# Altium PCB spd150.PcbDoc (part 9 of 16)
Units mm, origin at the board's own origin, x right, y up, seen from the top; angles counter-clockwise.
Board outline 217.35 x 147.5 mm, 10 copper layers (TOP, LYR2-PLN, LYR3-SIG, LYR4-SIG, LYR5-PLN, LYR6-PLN, LYR7-SIG, LYR8-SIG, LYR9-PLN, BOTTOM), stack 2.134 mm thick; 1065 components, 972 nets, 4226 pads, 2810 vias.
Unrouted connection lines stored in the file: 16.
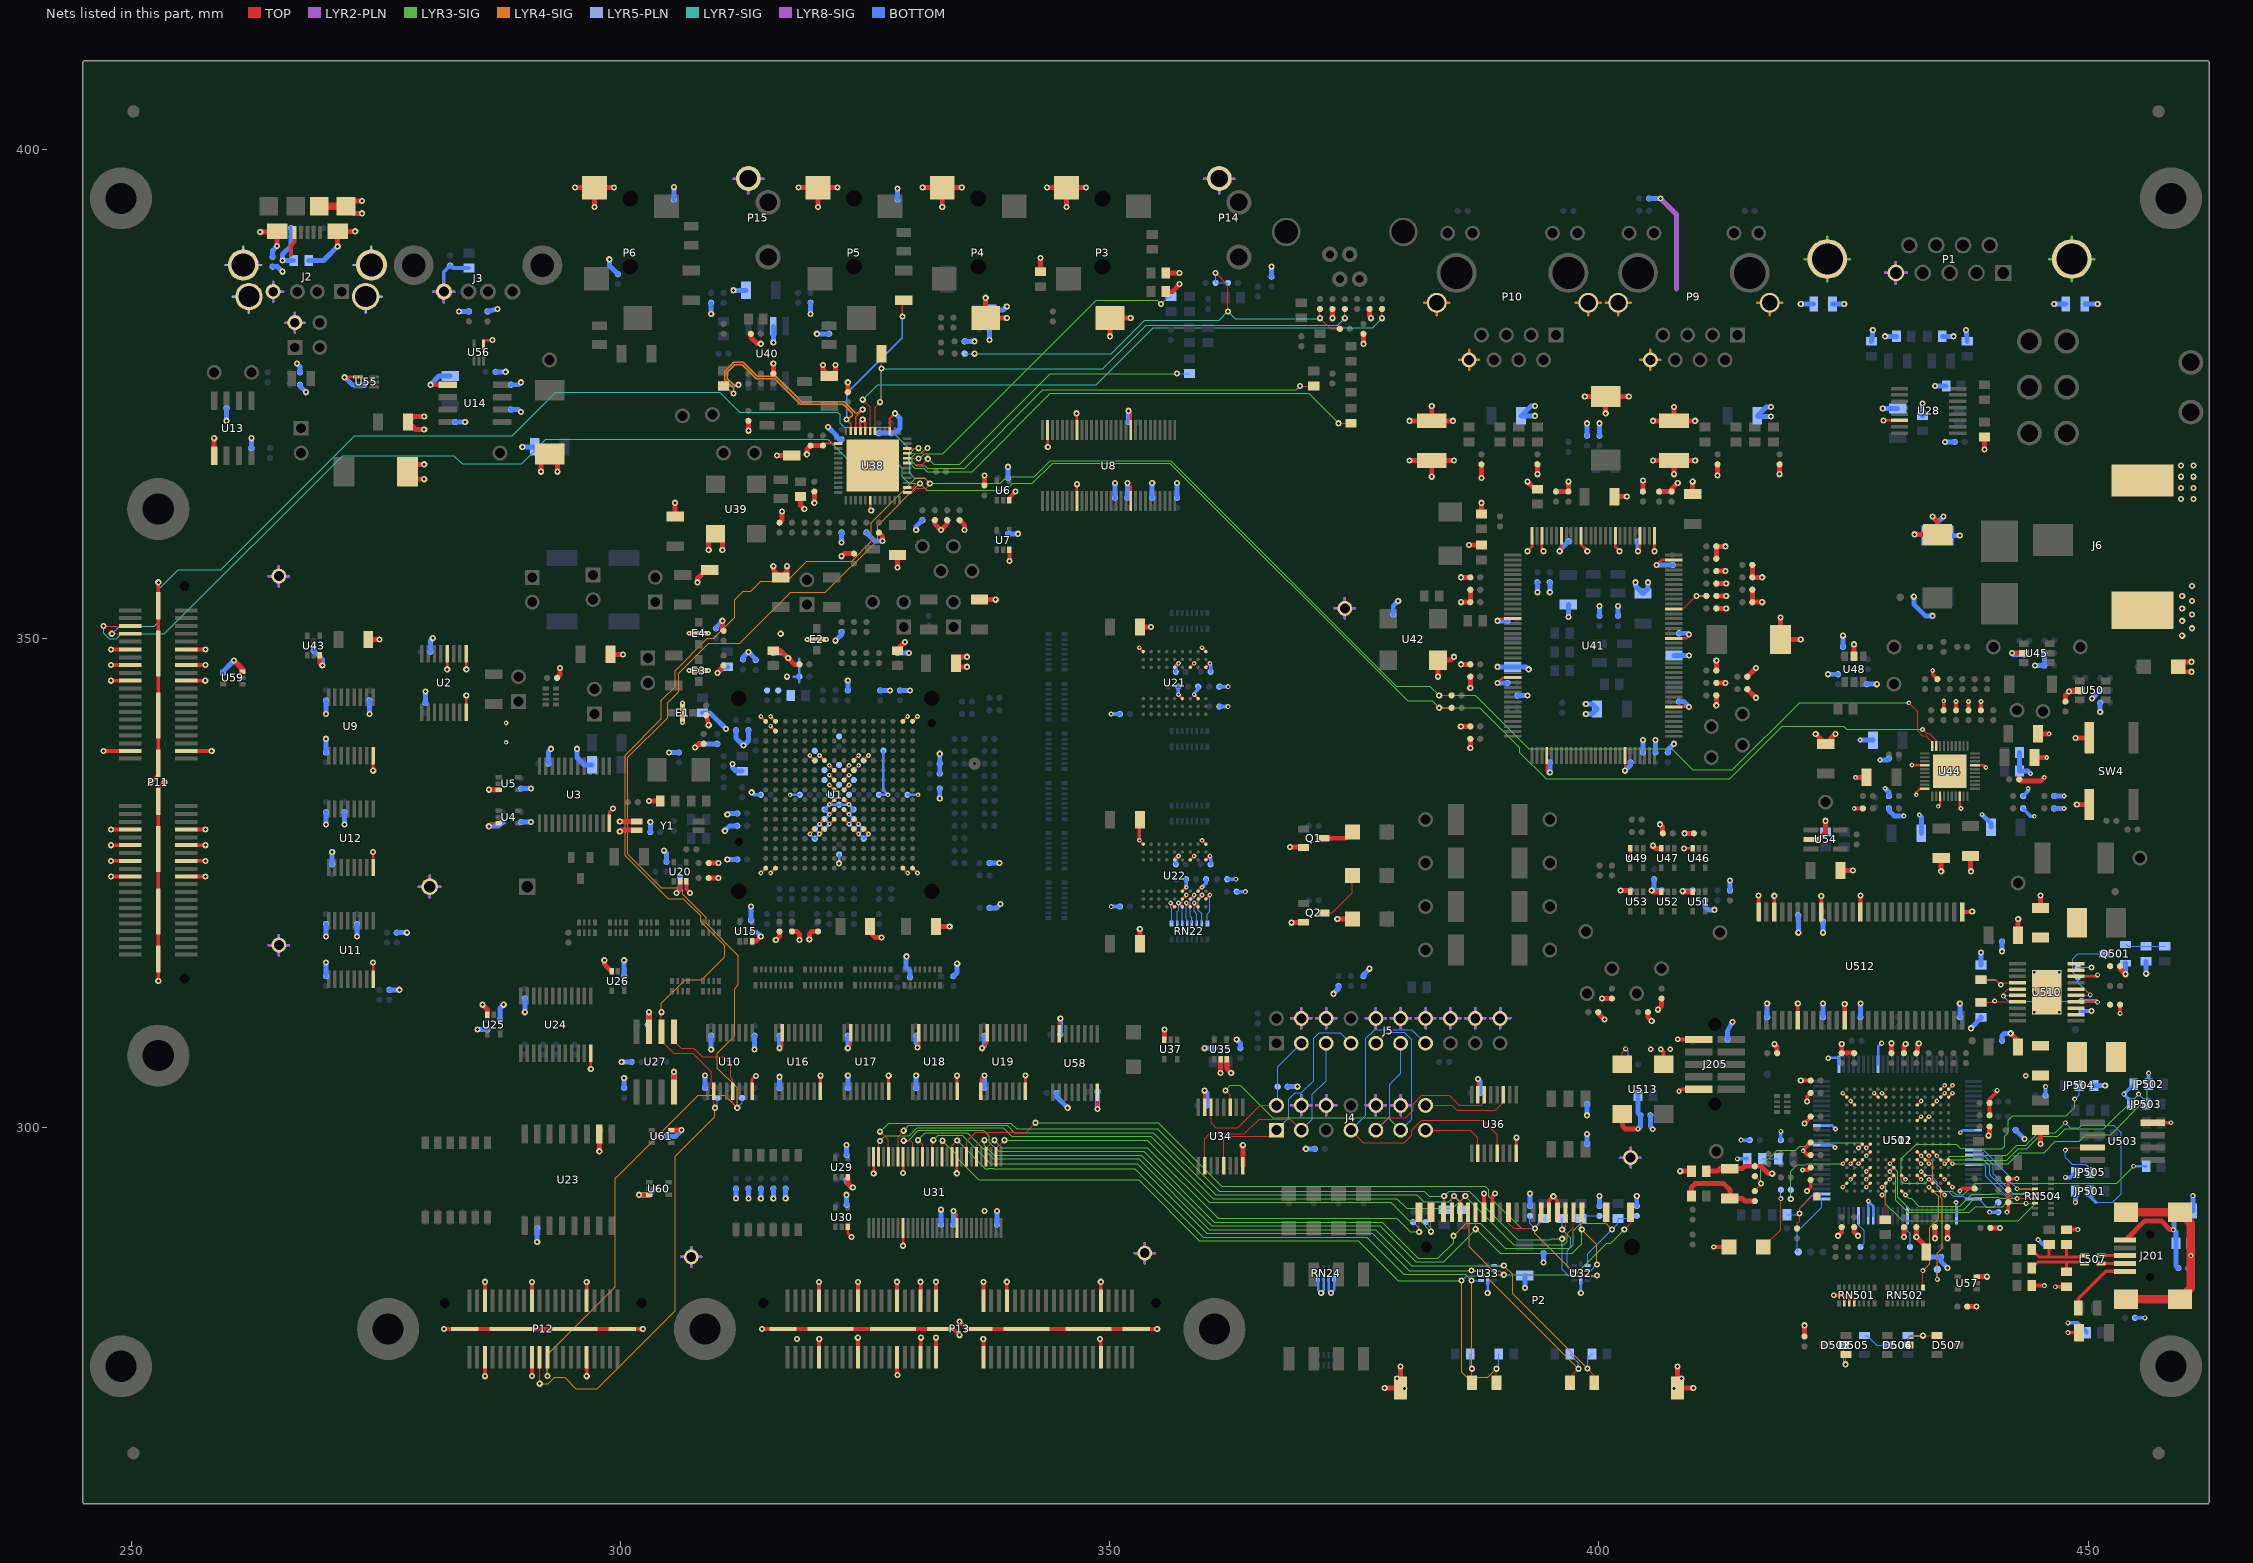
[diagram p17: the nets of this part, all layers, seen from the top]

## Via types
v1: diameter 0.635, hole 0.305, TOP to BOTTOM, 2018 vias
v2: diameter 0.483, hole 0.203, TOP to BOTTOM, 651 vias
v3: diameter 0.508, hole 0.254, TOP to BOTTOM, 120 vias
v4: diameter 0.559, hole 0.254, TOP to BOTTOM, 21 vias

## Nets (pads, with @x,y where several pads share a name; then routed paths per layer and width w, separated by ;. In a path a pad name is that pad's centre, name@x,y a point inside that pad or via, vN(x,y) a via of type N, cw(c..) or ccw(c..) an arc to the next point about the centre after c; other vN are vias at no path point) (continued)
GND: (continued)
  BOTTOM w0.508: C266.2@259.334,346.456 259.334,346.583 v1(260.477,347.726) ; v1(259.715,372.237) R224.2@259.715,373.507 ; R56.2@262.255,369.443 v1(262.255,370.459) ; C270.1@264.414,387.985 264.922,387.985 v1(265.43,387.477) ; R58.2@266.319,391.922 266.319,390.144 265.43,389.255 v1(265.43,388.62) R391.1@266.573,388.62 ; v1(266.903,378.079) 267.208,377.774 C15.2@267.208,377.19 ; R52.2@267.208,375.92 267.208,375.793 v1(267.843,375.158) ; C233.2@268.605,348.742 269.494,347.853 v1(269.494,347.218) ; R49.2@269.875,315.468 v1(269.875,316.865) ; v1(269.875,319.532) C11.2@269.875,320.802 ; v1(269.875,330.962) C12.2@269.875,332.232 ; R46.2@269.875,338.328 v1(269.875,339.725) ; v1(269.875,342.265) C9.2@269.875,343.662 ; R50.2@270.51,326.898 v1(270.51,328.168) ; v1(271.78,330.962) R51.2@271.78,332.232 ; v1(271.78,376.682) 272.542,375.92 C264.2@273.812,375.92 ; v1(273.05,319.532) R48.2@273.05,320.802 ; v1(274.32,342.265) R44.2@274.32,343.662 ; R38.2@276.352,314.071 v1(277.368,314.071) ; R36.2@277.114,319.913 v1(278.13,319.913) ; R18.2@280.035,343.408 v1(280.035,344.551) ; C1.2@280.543,348.615 280.543,349.758 v1(280.797,350.012) ; v1(280.543,375.92) 281.432,376.809 C28.2@282.575,376.809 ; R62.1@283.083,372.11 v1(284.099,372.11) ; v1(283.464,383.413) R393.2@284.48,383.413 ; v1(285.369,310.007) R137.2@286.385,310.007 ; R120.1@286.385,383.413 v1(287.401,383.667) ; v1(286.512,330.784) 286.512,330.81 286.537,330.835 287.528,330.835 R19.2@287.909,331.216 ; C263.2@287.205,377.241 v1(288.239,377.241) ; C124.2@287.655,311.023 287.655,312.166 v1(288.036,312.547) ; R60.2@288.798,373.38 289.56,373.38 v1(289.814,373.126) ; C30.2@288.798,375.92 289.56,375.92 v1(289.814,376.174) ; C3.2@289.814,331.216 v1(290.83,331.216) ; C4.2@289.814,334.645 v1(290.83,334.645) ; v1(289.941,369.57) C13.2@291.211,369.57 ; v1(290.195,311.785) C123.2@290.195,313.182 ; v1(291.465,288.29) C122.2@291.465,289.687 ; C2.2@292.608,337.185 292.608,338.455 v1(292.862,338.709) ; v1(295.529,338.709) 295.529,337.82 296.291,337.058 L25.2@297.053,337.058 ; v1(298.831,388.747) 298.831,388.112 R192.2@299.72,387.223 ; v1(300.101,306.705) R142.2@301.117,306.705 ; R141.2@300.355,304.038 v1(300.355,305.054) ; C125.2@300.355,315.468 v1(300.355,317.094) ; v1(301.879,293.116) 302.895,293.116 C273.2@303.53,293.751 ; C126.1@302.768,310.515 302.895,310.642 v1(302.895,311.785) ; R105.2@303.022,330.2 v1(303.022,331.216) ; v1(304.419,328.295) 304.673,328.041 C275.2@304.673,327.152 ; C274.2@304.673,299.085 305.562,299.085 v1(306.212,299.735) ; v1(304.927,338.328) R109.2@305.943,338.328 ; R143.2@305.435,304.038 v1(305.435,305.689) ; R193.2@305.435,394.843 v1(305.435,396.113) ; v1(305.689,323.977) 306.07,324.358 C51.2@306.07,325.628 ; v1(307.594,338.836) 307.975,339.217 C18.2@308.483,339.217 C19.2@309.88,339.217 ; C34.2@308.356,342.392 309.118,342.392 v1(310.769,340.741) ; R47.2@308.61,304.038 v1(308.61,305.308) ; v1(309.245,307.975) C10.2@309.245,309.372 ; v1(309.245,383.159) C187.2@309.245,384.302 ; C37.2@309.753,351.028 v1(310.388,351.79) ; v1(309.88,346.456) 310.515,347.091 C38.2@310.896,347.091 ; v1(310.642,330.327) 311.15,330.835 C94.1@311.912,330.835 ; v1(310.896,327.406) C81.1@311.912,327.406 ; v1(310.896,331.978) 311.023,332.105 C61.1@311.912,332.105 ; v1(311.429,337.16) 311.429,336.779 311.785,336.423 C20.2@312.42,336.423 ; v1(311.531,385.572) C183.2@312.801,385.572 ; v1(311.785,292.735) R127.2@311.785,293.751 ; C33.2@311.785,340.614 311.785,339.801 v1(312.547,339.039) 313.055,339.547 C32.2@313.055,340.614 ; C57.2@312.496,347.853 312.496,348.056 v1(313.055,348.615) 313.69,347.98 C58.2@313.812,347.769 ; v1(313.055,292.735) R128.2@313.055,293.751 ; C39.2@313.309,321.183 v1(313.309,322.58) ; R74.2@313.436,319.913 313.944,319.913 v1(314.325,319.532) ; v1(313.69,307.975) R45.2@313.69,309.372 ; v1(314.325,292.735) R129.2@314.325,293.751 ; v1(315.595,292.735) R130.2@315.595,293.751 ; C26.2@315.595,348.488 316.611,348.488 v1(317.119,347.98) ; v1(315.595,380.238) U40.7@315.595,381.889 ; R83.2@316.23,304.038 v1(316.23,305.181) ; v1(316.23,308.102) C40.2@316.23,309.372 ; v1(316.865,292.735) R124.1@316.865,293.751 ; v1(319.405,383.159) C188.2@319.405,384.302 ; v1(320.04,381.127) R185.2@321.31,381.127 ; v1(321.183,371.602) 322.072,370.713 322.072,370.606 322.346,370.332 C153.2@322.58,370.332 ; v1(321.945,349.758) 322.58,350.393 R17.2@322.58,350.647 ; v1(322.58,359.791) R202.2@322.58,360.807 ; C138.2@323.088,292.1 v1(323.088,293.116) ; R151.2@323.088,294.64 323.088,294.386 323.596,293.878 v1(323.723,293.878) ; C137.2@323.088,297.18 v1(323.088,298.196) ; R84.2@323.215,304.038 v1(323.215,305.308) ; v1(323.215,308.102) C41.2@323.215,309.372 ; C99.1@323.215,344.678 v1(323.215,345.694) ; R208.2@325.12,360.807 325.984,359.943 v1(326.771,359.943) ; C156.2@326.39,370.967 C154.2@327.66,370.967 328.041,370.967 328.549,371.475 328.549,372.491 v1(328.041,372.999) ; C79.1@326.517,344.678 v1(327.533,344.678) ; C55.2@328.295,348.488 v1(329.463,348.488) ; R186.2@328.295,394.843 v1(328.295,395.986) ; C78.1@328.549,344.678 v1(329.565,344.678) ; v1(329.209,317.5) 329.184,317.475 329.184,316.357 329.565,315.976 R68.1@329.565,315.341 ; R88.2@330.2,304.038 v1(330.2,305.308) ; C42.2@330.2,309.372 330.2,308.635 330.327,308.508 v1(330.327,308.178) ; v1(330.2,361.061) 330.2,361.442 R207.2@330.835,362.077 ; v1(332.613,333.629) C63.1@332.613,334.645 ; C84.1@332.613,336.169 C82.1@332.613,337.185 v1(332.613,338.201) ; C139.2@332.74,290.068 v1(332.74,291.592) ; C140.2@334.01,290.068 v1(334.01,291.465) ; R71.2@334.01,315.468 334.391,315.849 v1(334.391,316.738) ; C172.2@335.153,380.365 v1(336.169,380.365) ; v1(336.931,308.102) 337.185,308.356 C43.2@337.185,309.372 ; R89.2@337.185,304.038 v1(337.185,305.308) ; C93.1@337.693,322.453 338.455,322.453 v1(338.836,322.834) ; R85.2@337.693,327.025 v1(338.709,327.025) ; v1(337.693,380.492) R187.2@337.693,381.635 ; C171.2@337.947,383.54 339.09,383.54 v1(339.471,383.921) ; R153.2@338.455,290.068 v1(338.455,291.465) ; C5.2@339.598,360.68 v1(340.614,360.68) ; C6.2@339.598,366.395 v1(339.598,367.538) ; C161.2@342.9,387.477 v1(342.9,388.874) ; R384.2@344.551,303.53 344.551,303.149 v1(345.694,302.006) ; C265.2@344.932,309.499 v1(344.932,311.15) ; v1(348.732,301.879) 348.742,301.889 R152.2@348.742,303.657 ; C7.2@350.52,364.363 v1(350.52,365.887) ; C8.2@351.79,364.363 v1(351.79,365.887) ; R22.2@351.917,372.11 v1(351.917,373.253) ; R21.1@354.33,364.363 v1(354.33,365.887) ; R23.2@356.87,364.363 v1(356.87,365.887) ; v1(359.664,308.102) C145.2@360.68,308.102 ; v1(359.689,303.759) 359.918,303.53 C143.2@359.918,302.26 ; v1(362.966,308.991) 363.347,308.61 C144.2@363.347,308.102 ; R390.2@366.522,386.969 v1(366.522,387.985) ; R169.2@368.173,304.165 v1(369.189,304.165) ; v1(370.027,297.815) C146.2@370.967,297.815 ; v1(372.847,313.665) 373.38,314.198 C148.2@373.38,314.452 ; C149.2@375.92,315.468 375.92,315.595 v1(376.555,316.23) ; C198.2@378.968,352.425 378.968,353.314 v1(379.476,353.822) ; v1(387.629,304.952) 387.858,304.724 C147.2@387.858,303.53 ; v1(389.636,345.44) C209.2@390.652,345.44 ; v1(389.636,347.091) C202.2@391.16,347.091 392.557,347.091 v1(392.811,346.837) ; v1(389.636,351.79) C204.2@390.652,351.79 ; R291.2@391.668,344.17 v1(392.684,344.17) ; v1(392.43,283.591) C141.2@392.43,284.861 ; R166.2@392.938,291.973 v1(392.938,293.243) ; v1(393.446,372.745) C227.2@392.049,372.745 393.065,373.761 v1(393.446,373.761) ; v1(393.7,354.711) C218.2@393.7,355.727 ; v1(394.335,286.207) C142.1@394.335,287.147 ; v1(394.97,336.296) C205.2@394.97,337.312 ; v1(394.97,354.711) C219.2@394.97,355.727 ; v1(395.986,358.902) 395.986,359.029 C224.2@396.875,359.918 ; v1(396.875,352.171) C217.2@396.875,353.441 ; v1(398.653,342.265) 399.288,342.265 C211.2@399.796,342.773 399.288,343.281 v1(398.653,343.281) ; R113.2@398.78,298.323 v1(398.78,299.339) ; v1(398.78,301.244) R114.2@398.78,302.387 ; C215.2@398.78,370.713 v1(398.78,371.983) ; R165.2@400.05,291.973 v1(400.05,292.989) ; C207.2@400.05,352.298 v1(400.05,353.314) ; C216.2@400.05,370.713 v1(400.05,371.983) ; C213.2@401.955,352.298 v1(401.955,353.314) ; v1(402.209,324.231) C255.2@403.225,324.231 ; v1(402.669,336.471) 403.225,337.028 C208.2@403.225,337.312 ; v1(403.733,355.727) 403.733,355.346 C212.2@404.495,354.584 405.003,355.092 v1(405.003,355.727) ; R164.2@403.86,291.973 v1(403.86,292.989) ; v1(403.987,358.902) C222.2@403.987,359.918 ; R293.2@404.495,338.328 v1(404.495,339.598) ; R233.1@405.13,394.97 v1(406.273,394.97) ; C606.2@405.257,301.244 405.257,300.076 v4(405.511,299.822) ; C251.2@405.638,325.374 405.638,324.485 v1(405.384,324.231) C257.2@406.4,324.231 ; R302.2@405.765,338.328 v1(405.765,339.598) ; v1(405.892,357.505) C223.2@407.543,357.505 ; R303.2@407.035,338.328 407.035,338.582 v1(407.67,339.217) ; C201.2@407.67,348.234 v1(409.194,348.234) ; C206.2@408.178,343.535 408.653,343.535 v1(409.194,342.994) ; C210.2@408.178,350.52 409.067,350.52 v1(409.194,350.393) ; v1(408.559,324.155) 409.499,324.155 C256.2@409.575,324.231 ; C258.2@410.845,323.215 410.845,322.58 411.175,322.25 v1(411.81,322.25) ; R552.1@413.131,308.991 413.131,309.88 v1(413.639,310.769) ; R102.2@413.385,324.231 v1(413.385,325.247) ; C603.2@417.195,311.277 v1(417.195,312.674) ; v1(417.576,372.669) 416.255,372.669 C231.2@416.179,372.745 417.068,373.634 v1(417.576,373.634) ; v1(420.37,319.913) C605.2@420.37,321.691 ; v1(420.624,384.175) L2.1@421.945,384.175 ; C602.2@422.91,311.277 v1(422.91,312.674) ; v1(422.91,319.913) C604.2@422.91,321.056 ; R373.2@423.164,330.2 v1(423.164,331.343) ; v1(423.418,346.329) C252.2@424.434,346.329 ; R351.1@424.942,349.123 v1(424.942,350.266) ; v2(426.695,339.598) C236.2@427.99,339.598 ; C600.2@426.72,311.277 v1(426.72,312.674) ; C250.2@427.355,345.313 v1(428.396,345.313) ; v2(428.727,337.566) 429.514,337.566 R315.2@429.641,337.693 ; v1(429.006,373.507) C128.2@430.53,373.507 ; v2(429.25,334.655) 429.641,334.264 C235.2@429.641,333.883 ; R324.2@429.641,332.613 429.641,332.379 430.169,331.851 v2(431.165,331.851) ; v1(432.181,354.254) 432.181,353.484 433.367,352.298 v1(434.086,352.298) ; v2(432.74,331.953) 432.943,331.749 C237.2@432.943,330.073 ; C127.2@433.07,372.745 v1(433.07,374.015) ; C594.2@433.705,286.766 R603.2@434.975,286.766 434.975,286.283 v1(435.635,285.623) ; v1(434.34,375.793) C135.2@435.483,375.793 ; v1(435.229,362.458) 434.594,361.823 D1.2@434.594,360.502 v1(436.88,360.502) ; v1(435.356,370.078) R150.1@436.372,370.078 ; C601.2@436.88,311.277 v1(436.88,312.674) ; v1(438.023,310.134) 439.039,311.15 R549.2@439.039,311.277 ; R528.2@439.039,316.611 v1(439.039,317.881) ; v2(439.166,331.978) 440.055,331.089 C241.2@440.055,330.708 ; C556.2@441.198,308.864 441.198,309.372 441.452,309.626 v1(442.087,309.626) ; v1(441.198,318.008) C526.2@441.198,319.024 ; v1(442.214,348.488) 442.341,348.361 C246.2@443.484,348.361 ; C592.2@442.595,299.72 v1(443.484,298.831) ; C243.2@442.976,338.328 C245.2@442.976,336.423 443.865,336.423 v2(444.119,336.169) ; v1(444.576,347.218) C248.2@445.516,347.218 R348.1@445.516,348.488 ; R337.2@446.532,332.613 v2(447.548,332.613) ; R336.2@446.532,333.883 v2(447.548,333.883) ; v1(448.031,344.551) C253.2@449.199,344.551 ; v3(448.691,292.354) JP501.3@448.691,293.497 ; L5.1@449.656,384.175 v1(450.977,384.175) ; v1(450.393,343.84) R356.1@451.231,344.678 ; JP504.3@450.596,304.292 v1(451.739,304.292) ; v1(451.231,342.468) C254.2@451.231,343.408 ; v1(453.822,315.671) Q501.S@453.822,316.789 ; v1(455.93,315.722) R555.2@455.93,316.992 ; L505.2@460.705,291.465 v3(460.705,293.04)
  other v1: 380.111,273.304 407.67,273.304 379.349,274.32 408.432,274.32 318.008,278.384 337.185,291.465 316.992,346.075 459.613,350.266 316.357,350.469 460.629,351.028 459.613,351.79 460.629,352.425 459.613,353.06 460.629,353.822 459.613,354.33 460.629,355.346 459.486,364.236 460.756,364.236 459.486,365.379 460.756,365.379 459.486,366.522 460.756,366.522 459.486,367.665 460.756,367.665
  other v2: 435.864,336.423 288.29,339.369 288.29,341.351 306.324,341.401 306.324,343.383 306.984,346.71 308.966,346.71 319.049,349.885 321.031,349.885 306.984,350.52 308.966,350.52
  other v3: 444.5,311.785 447.04,311.785 444.5,313.817 447.04,313.817 444.5,315.849 447.04,315.849
  other v4: 443.611,305.308 405.308,308 407.274,307.988
GND_E_ENET: C226.1 C230.1 P9.8 P9.SH1 P9.SH2 P10.8 P10.SH1 P10.SH2 | length 35.1
  TOP w0.508: v1(380.619,372.237) C226.1@382.905,372.237 ; v1(382.905,373.761) C226.1@382.905,372.237 ; v1(385.064,372.237) C226.1@382.905,372.237 ; v1(405.511,372.237) C230.1@407.67,372.237 ; v1(407.67,373.634) C230.1@407.67,372.237 ; v1(409.829,372.237) C230.1@407.67,372.237
  LYR4-SIG w0.254: 382.143,384.302 P10.SH2@383.413,384.302 ; 383.413,383.032 P10.SH2@383.413,384.302 ; 384.683,384.302 P10.SH2@383.413,384.302 ; 385.699,378.46 P10.8@386.715,378.46 ; 386.715,377.444 P10.8@386.715,378.46 ; 386.715,379.476 P10.8@386.715,378.46 ; 387.731,378.46 P10.8@386.715,378.46 ; 397.637,384.302 P10.SH1@398.907,384.302 ; 398.907,383.032 P10.SH1@398.907,384.302 ; 400.177,384.302 P10.SH1@398.907,384.302 ; 400.685,384.302 P9.SH2@401.955,384.302 ; 401.955,383.032 P9.SH2@401.955,384.302 ; 403.225,384.302 P9.SH2@401.955,384.302 ; 404.241,378.46 P9.8@405.257,378.46 ; 405.257,377.444 P9.8@405.257,378.46 ; 405.257,379.476 P9.8@405.257,378.46 ; 406.273,378.46 P9.8@405.257,378.46 ; 416.179,384.302 P9.SH1@417.449,384.302 ; 417.449,383.032 P9.SH1@417.449,384.302 ; 418.719,384.302 P9.SH1@417.449,384.302
GND_E_RS232: C129.2 C130.2 C131.2 C132.2 L2.2 L5.2 P1.10 P1.11 | length 25.3
  LYR3-SIG w0.254: 421.056,388.772 P1.10@423.342,388.772 ; 423.342,386.486 P1.10@423.342,388.772 ; 423.342,391.058 P1.10@423.342,388.772 ; 425.628,388.772 P1.10@423.342,388.772 ; 446.049,388.772 P1.11@448.335,388.772 ; 448.335,386.486 P1.11@448.335,388.772 ; 448.335,391.058 P1.11@448.335,388.772 ; 450.621,388.772 P1.11@448.335,388.772
  BOTTOM w0.508: L2.2@423.875,384.175 v1(425.069,384.175) ; C129.2@427.863,380.365 v1(427.99,381.508) ; v1(429.26,380.873) C130.2@430.403,380.873 ; C132.2@435.102,380.873 v1(436.245,380.873) ; v1(437.515,381.508) C131.2@437.642,380.365 ; v1(446.532,384.175) L5.2@447.726,384.175
GND_EARTH: C270.2 J2.1 J2.2 J2.3 J2.4 J2.5 J2.6 J2.7 J2.8 R391.2 | length 33.8
  TOP w0.508: v1(263.144,391.541) 264.81,391.541 J2.6@264.874,391.604 v1(264.874,390.096) ; v1(271.066,390.065) J2.5@271.066,391.604 v1(272.859,391.604) ; v1(273.558,393.446) 272.626,393.446 J2.7@271.917,394.155 272.478,394.716 v1(273.558,394.716)
  TOP w0.762: J2.8@269.171,394.155 J2.7@271.917,394.155
  LYR5-PLN w0.254: 259.575,388.163 J2.4@261.417,388.163 ; 260.35,384.937 J2.2@262.001,384.937 262.001,383.286 ; 261.417,390.004 J2.4@261.417,388.163 ; 263.258,388.163 J2.4@261.417,388.163 ; 272.682,388.163 J2.3@274.523,388.163 274.523,390.004 ; 273.939,383.286 J2.1@273.939,384.937 275.59,384.937
  BOTTOM w0.508: C270.2@264.414,389.001 264.414,389.636 v1(264.874,390.096) ; R391.2@268.097,388.62 269.621,388.62 v1(271.066,390.065)
GP0: JP501.2 U502.F3 | length 32.4
  TOP w0.254: U502.F3@434.132,297.503 v2(434.53,297.101)
  LYR3-SIG w0.102: v2(434.53,297.101) 434.546,297.101 434.939,296.708 435.496,296.708 435.841,297.053 438.277,297.053
  LYR3-SIG w0.127: 438.277,297.053 438.404,297.18 441.706,297.18 442.722,298.196 443.611,298.196 444.881,299.466 446.659,299.466 v3(447.675,300.482)
  BOTTOM w0.127: v3(447.675,300.482) 448.191,299.966 449.072,299.966 449.334,300.228 452.638,300.228 453.39,299.476 453.39,293.243 452.501,292.354 450.786,292.354
  BOTTOM w0.381: JP501.2@450.215,293.497 450.215,292.925 450.786,292.354
GP1: JP502.2 U502.E1 | length 27
  TOP w0.254: U502.E1@435.732,296.702 v2(436.131,296.301)
  LYR3-SIG w0.102: v2(436.131,296.301) 436.712,296.301 436.715,296.304 438.137,296.304
  LYR3-SIG w0.127: 438.137,296.304 441.833,296.304 442.963,297.434 445.516,297.434 446.659,298.577 449.072,298.577 449.77,299.275 452.31,299.275 456.057,303.022 456.057,305.435 v3(456.184,305.562)
  BOTTOM w0.381: JP502.2@456.184,304.419 v3(456.184,305.562)
GP2: JP503.2 U502.E2 | length 24.7
  TOP w0.254: U502.E2@434.932,296.702 v2(435.331,296.301)
  LYR3-SIG w0.102: v2(435.331,296.301) 435.493,296.301 435.887,296.695 438.254,296.695 438.277,296.672
  LYR3-SIG w0.127: 438.277,296.672 441.706,296.672 442.849,297.815 443.738,297.815 445.008,299.085 446.913,299.085 447.675,299.847 451.612,299.847 v3(455.168,303.403)
  BOTTOM w0.127: v3(455.168,303.403) 455.93,302.641 JP503.2@455.93,302.387
GP3: JP504.2 U502.B3 | length 29.9
  TOP w0.254: v2(433.73,294.701) 433.733,294.701 U502.B3@434.132,294.302
  LYR3-SIG w0.102: v2(433.73,294.701) 433.337,294.307 431.165,294.307 430.911,294.561 430.911,296.799 432.407,298.295 436.527,298.295 436.931,297.891 438.252,297.891
  LYR3-SIG w0.127: 438.252,297.891 438.302,297.84 441.198,297.84 441.452,298.094 441.452,299.085 441.833,299.466 441.833,300.736 442.277,301.18 447.738,301.18 448.615,302.057 v3(448.615,302.895)
  BOTTOM w0.127: v3(448.615,302.895) 449.072,303.352 JP504.2@449.072,304.292
GP4: JP508.1 RN502.9 U502.A3 | length 35.6
  TOP w0.127: RN502.9@433.111,283.642 v3(433.111,285.369)
  TOP w0.254: v2(433.73,293.901) 433.733,293.901 U502.A3@434.132,293.502
  LYR3-SIG w0.102: v2(433.73,293.901) 434.134,293.497 436.118,293.497 436.512,293.103 437.248,293.103
  LYR3-SIG w0.127: 437.248,293.103 438.467,294.322 452.945,294.322 v3(454.66,296.037)
  LYR4-SIG w0.102: v2(433.73,293.901) 434.721,292.91 434.721,290.957
  LYR4-SIG w0.127: v3(433.111,285.369) 433.819,286.078 433.819,289.801 434.721,290.703 434.721,290.957
  BOTTOM w0.254: v3(454.66,296.037) JP508.1@455.93,296.037
GP6: R612.1 U502.C4 U511.50 | length 10.5
  TOP w0.254: v2(432.93,295.501) 433.329,295.102 U502.C4@433.332,295.102
  BOTTOM w0.102: v2(432.93,295.501) 433.334,295.097 433.893,295.097 434.594,294.396 434.594,293.748 434.848,293.494 435.714,293.494 436.22,292.989 437.225,292.989 U511.50@437.515,292.699
  BOTTOM w0.127: U511.50@437.515,292.699 U511.50@438.277,292.699 438.821,292.699 439.661,291.859 440.322,291.859 R612.1@440.817,292.354
GPIO_0: R598.1 R611.1 TP520.1 U511.77 | length 9.2
  TOP w0.127: R598.1@420.243,289.687 420.243,290.195 420.497,290.449 v1(420.497,291.211) 420.497,291.719 421.767,292.989 TP520.1@422.275,292.989
  BOTTOM w0.127: R611.1@419.227,291.084 420.37,291.084 v1(420.497,291.211) 420.497,291.719 421.978,293.2 U511.77@422.783,293.2
GPIO_1: R597.1 TP521.1 U511.76 | length 6.8
  BOTTOM w0.127: TP521.1@420.37,287.274 420.243,287.401 R597.1@420.243,289.687 420.624,289.687 422.783,291.846 U511.76@422.783,292.699
HANDSET_MIC_N: C180.1 U38.8 | length 34.1
  TOP w0.127: U38.8@329.286,368.414 330.416,368.414 v1(330.441,368.389)
  LYR3-SIG w0.127: v1(330.441,368.389) 330.543,368.389 331.013,368.859 332.918,368.859 348.615,384.556 354.838,384.556 v1(355.219,384.175)
  BOTTOM w0.127: v1(355.219,384.175) 355.981,384.937 C180.1@356.235,384.937
HANDSET_MIC_P: C176.1 U38.7 | length 33.2
  TOP w0.127: U38.7@329.286,367.914 329.951,367.914 330.073,367.792 330.86,367.792 331.394,368.325 v1(331.394,368.351)
  LYR3-SIG w0.127: v1(331.394,368.351) 331.419,368.351 331.978,367.792 334.645,367.792 343.916,377.063 v1(356.87,377.063)

## Text inside footprints (layer, text, board x,y; h text height)
R92: PIN_NUMBER "2" at 333.934,334.645 h0.51; PIN_NUMBER "1" at 334.95,334.645 h0.51; ASSEMBLY_BOTTOM "22" at 334.645,334.645 h0.64; ASSEMBLY_BOTTOM "TOLERANCE" at 334.645,332.105 h0.64; ASSEMBLY_BOTTOM "USERPART#" at 334.645,330.835 h0.64; SYMBOL_PART_DIM "PAD 35X32 OV" at 337.769,329.87 h0.64; SYMBOL_PART_DIM "C402-35X32" at 337.769,331.14 h0.64; SYMBOL_PART_DIM "0" at 334.848,332.511 h0.64; SYMBOL_PART_DIM "0" at 336.982,334.315 h0.64
R93: PIN_NUMBER "2" at 333.934,330.835 h0.51; PIN_NUMBER "1" at 334.95,330.835 h0.51; ASSEMBLY_BOTTOM "22" at 334.645,330.835 h0.64; ASSEMBLY_BOTTOM "TOLERANCE" at 334.645,328.295 h0.64; ASSEMBLY_BOTTOM "USERPART#" at 334.645,327.025 h0.64; SYMBOL_PART_DIM "PAD 35X32 OV" at 337.769,326.06 h0.64; SYMBOL_PART_DIM "C402-35X32" at 337.769,327.33 h0.64; SYMBOL_PART_DIM "0" at 334.848,328.701 h0.64; SYMBOL_PART_DIM "0" at 336.982,330.505 h0.64
R94: PIN_NUMBER "2" at 334.696,343.535 h0.51; PIN_NUMBER "1" at 335.712,343.535 h0.51; ASSEMBLY_BOTTOM "22" at 335.407,343.535 h0.64; ASSEMBLY_BOTTOM "TOLERANCE" at 335.407,340.995 h0.64; ASSEMBLY_BOTTOM "USERPART#" at 335.407,339.725 h0.64; SYMBOL_PART_DIM "PAD 35X32 OV" at 338.531,338.76 h0.64; SYMBOL_PART_DIM "C402-35X32" at 338.531,340.03 h0.64; SYMBOL_PART_DIM "0" at 335.61,341.401 h0.64; SYMBOL_PART_DIM "0" at 337.744,343.205 h0.64
R95: PIN_NUMBER "2" at 333.934,333.375 h0.51; PIN_NUMBER "1" at 334.95,333.375 h0.51; ASSEMBLY_BOTTOM "22" at 334.645,333.375 h0.64; ASSEMBLY_BOTTOM "TOLERANCE" at 334.645,330.835 h0.64; ASSEMBLY_BOTTOM "USERPART#" at 334.645,329.565 h0.64; SYMBOL_PART_DIM "PAD 35X32 OV" at 337.769,328.6 h0.64; SYMBOL_PART_DIM "C402-35X32" at 337.769,329.87 h0.64; SYMBOL_PART_DIM "0" at 334.848,331.241 h0.64; SYMBOL_PART_DIM "0" at 336.982,333.045 h0.64
R96: PIN_NUMBER "1" at 334.95,338.455 h0.51; PIN_NUMBER "2" at 333.934,338.455 h0.51; ASSEMBLY_BOTTOM "22" at 334.645,338.455 h0.64; ASSEMBLY_BOTTOM "TOLERANCE" at 334.645,335.915 h0.64; ASSEMBLY_BOTTOM "USERPART#" at 334.645,334.645 h0.64; SYMBOL_PART_DIM "PAD 35X32 OV" at 337.769,333.68 h0.64; SYMBOL_PART_DIM "C402-35X32" at 337.769,334.95 h0.64; SYMBOL_PART_DIM "0" at 334.848,336.321 h0.64; SYMBOL_PART_DIM "0" at 336.982,338.125 h0.64
R97: PIN_NUMBER "2" at 333.934,339.725 h0.51; PIN_NUMBER "1" at 334.95,339.725 h0.51; ASSEMBLY_BOTTOM "22" at 334.645,339.725 h0.64; ASSEMBLY_BOTTOM "TOLERANCE" at 334.645,337.185 h0.64; ASSEMBLY_BOTTOM "USERPART#" at 334.645,335.915 h0.64; SYMBOL_PART_DIM "PAD 35X32 OV" at 337.769,334.95 h0.64; SYMBOL_PART_DIM "C402-35X32" at 337.769,336.22 h0.64; SYMBOL_PART_DIM "0" at 334.848,337.591 h0.64; SYMBOL_PART_DIM "0" at 336.982,339.395 h0.64
R98: PIN_NUMBER "2" at 334.696,342.265 h0.51; PIN_NUMBER "1" at 335.712,342.265 h0.51; ASSEMBLY_BOTTOM "22" at 335.407,342.265 h0.64; ASSEMBLY_BOTTOM "TOLERANCE" at 335.407,339.725 h0.64; ASSEMBLY_BOTTOM "USERPART#" at 335.407,338.455 h0.64; SYMBOL_PART_DIM "PAD 35X32 OV" at 338.531,337.49 h0.64; SYMBOL_PART_DIM "C402-35X32" at 338.531,338.76 h0.64; SYMBOL_PART_DIM "0" at 335.61,340.131 h0.64; SYMBOL_PART_DIM "0" at 337.744,341.935 h0.64
R99: PIN_NUMBER "1" at 334.95,332.105 h0.51; PIN_NUMBER "2" at 333.934,332.105 h0.51; ASSEMBLY_BOTTOM "22" at 334.645,332.105 h0.64; ASSEMBLY_BOTTOM "TOLERANCE" at 334.645,329.565 h0.64; ASSEMBLY_BOTTOM "USERPART#" at 334.645,328.295 h0.64; SYMBOL_PART_DIM "PAD 35X32 OV" at 337.769,327.33 h0.64; SYMBOL_PART_DIM "C402-35X32" at 337.769,328.6 h0.64; SYMBOL_PART_DIM "0" at 334.848,329.971 h0.64; SYMBOL_PART_DIM "0" at 336.982,331.775 h0.64
R100: PIN_NUMBER "2" at 298.933,328.168 h1.02 r180; PIN_NUMBER "1" at 301.981,328.168 h1.02 r180; ASSEMBLY_TOP "0.02" at 302.006,328.168 h1.02 r180; ASSEMBLY_TOP "X" at 300.99,328.168 h1.02 r180; ASSEMBLY_TOP "X" at 300.228,328.041 h1.02 r180; SYMB_DIM "PAD 40X70OV" at 285.598,327.025 h1.02 r180; SYMB_DIM "SM  48X78OV" at 285.598,328.803 h1.02 r180; SYMB_DIM "SP  40X70OV" at 285.598,330.835 h1.02 r180; SYMB_DIM "R1206-40X70" at 296.393,322.58 h1.02 r180; SYMB_DIM "0" at 301.498,331.47 h1.02 r180; SYMB_DIM "0" at 305.308,328.295 h1.02 r180
R101: PIN_NUMBER "1" at 413.182,324.231 h0.51 r270; PIN_NUMBER "2" at 413.182,323.215 h0.51 r270; ASSEMBLY_TOP "10K" at 413.385,323.723 h0.64 r270; ASSEMBLY_TOP "TOLERANCE" at 410.845,323.723 h0.64 r270; ASSEMBLY_TOP "USERPART#" at 409.575,323.723 h0.64 r270; SYMBOL_PART_DIM "PAD 35X32 OV" at 408.61,326.847 h0.64 r270; SYMBOL_PART_DIM "C402-35X32" at 409.88,326.847 h0.64 r270; SYMBOL_PART_DIM "0" at 411.251,323.926 h0.64 r270; SYMBOL_PART_DIM "0" at 413.055,326.06 h0.64 r270
R102: PIN_NUMBER "1" at 413.182,323.215 h0.51 r270; PIN_NUMBER "2" at 413.182,324.231 h0.51 r270; ASSEMBLY_BOTTOM "NO-POP" at 413.385,323.723 h0.64 r270; ASSEMBLY_BOTTOM "TOLERANCE" at 410.845,323.723 h0.64 r270; ASSEMBLY_BOTTOM "USERPART#" at 409.575,323.723 h0.64 r270; SYMBOL_PART_DIM "PAD 35X32 OV" at 408.61,320.599 h0.64 r270; SYMBOL_PART_DIM "C402-35X32" at 409.88,320.599 h0.64 r270; SYMBOL_PART_DIM "0" at 411.251,323.52 h0.64 r270; SYMBOL_PART_DIM "0" at 413.055,321.386 h0.64 r270
R103: PIN_NUMBER "2" at 312.217,333.756 h0.51 r90; PIN_NUMBER "1" at 312.217,334.772 h0.51 r90; ASSEMBLY_BOTTOM "NO-POP" at 312.42,334.264 h0.64 r90; ASSEMBLY_BOTTOM "TOLERANCE" at 314.96,334.264 h0.64 r90; ASSEMBLY_BOTTOM "USERPART#" at 316.23,334.264 h0.64 r90; SYMBOL_PART_DIM "PAD 35X32 OV" at 317.195,337.388 h0.64 r90; SYMBOL_PART_DIM "C402-35X32" at 315.925,337.388 h0.64 r90; SYMBOL_PART_DIM "0" at 314.554,334.467 h0.64 r90; SYMBOL_PART_DIM "0" at 312.75,336.601 h0.64 r90
R104: PIN_NUMBER "1" at 305.232,331.343 h0.51 r90; PIN_NUMBER "2" at 305.232,330.327 h0.51 r90; ASSEMBLY_BOTTOM "0" at 305.435,330.835 h0.64 r90; ASSEMBLY_BOTTOM "TOLERANCE" at 307.975,330.835 h0.64 r90; ASSEMBLY_BOTTOM "USERPART#" at 309.245,330.835 h0.64 r90; SYMBOL_PART_DIM "PAD 35X32 OV" at 310.21,333.959 h0.64 r90; SYMBOL_PART_DIM "C402-35X32" at 308.94,333.959 h0.64 r90; SYMBOL_PART_DIM "0" at 307.569,331.038 h0.64 r90; SYMBOL_PART_DIM "0" at 305.765,333.172 h0.64 r90
R105: PIN_NUMBER "1" at 303.835,330.2 h0.51; PIN_NUMBER "2" at 302.819,330.2 h0.51; ASSEMBLY_BOTTOM "NO-POP" at 303.53,330.2 h0.64; ASSEMBLY_BOTTOM "TOLERANCE" at 303.53,327.66 h0.64; ASSEMBLY_BOTTOM "USERPART#" at 303.53,326.39 h0.64; SYMBOL_PART_DIM "PAD 35X32 OV" at 306.654,325.425 h0.64; SYMBOL_PART_DIM "C402-35X32" at 306.654,326.695 h0.64; SYMBOL_PART_DIM "0" at 303.733,328.066 h0.64; SYMBOL_PART_DIM "0" at 305.867,329.87 h0.64
R106: PIN_NUMBER "2" at 310.312,334.772 h0.51 r90; PIN_NUMBER "1" at 310.312,335.788 h0.51 r90; ASSEMBLY_BOTTOM "NO-POP" at 310.515,335.28 h0.64 r90; ASSEMBLY_BOTTOM "TOLERANCE" at 313.055,335.28 h0.64 r90; ASSEMBLY_BOTTOM "USERPART#" at 314.325,335.28 h0.64 r90; SYMBOL_PART_DIM "PAD 35X32 OV" at 315.29,338.404 h0.64 r90; SYMBOL_PART_DIM "C402-35X32" at 314.02,338.404 h0.64 r90; SYMBOL_PART_DIM "0" at 312.649,335.483 h0.64 r90; SYMBOL_PART_DIM "0" at 310.845,337.617 h0.64 r90
R107: PIN_NUMBER "2" at 306.807,333.375 h1.02 r180; PIN_NUMBER "1" at 308.331,333.375 h1.02 r180; ASSEMBLY_TOP "X" at 306.959,333.756 h1.02 r180; ASSEMBLY_TOP "X" at 307.848,333.756 h1.02 r180; ASSEMBLY_TOP "100" at 308.61,333.756 h1.02 r180; SYMB_DIM "0" at 311.658,333.883 h1.02 r180; SYMB_DIM "0" at 308.483,336.931 h1.02 r180; SYMB_DIM "R603-35X45" at 313.309,328.549 h1.02 r180; SYMB_DIM "SP  35X45OV" at 303.276,334.772 h1.02 r180; SYMB_DIM "SM  43X53OV" at 303.276,332.994 h1.02 r180; SYMB_DIM "PAD 35X45OV" at 303.276,331.47 h1.02 r180
R108: PIN_NUMBER "2" at 310.312,336.931 h0.51 r90; PIN_NUMBER "1" at 310.312,337.947 h0.51 r90; ASSEMBLY_BOTTOM "0" at 310.515,337.439 h0.64 r90; ASSEMBLY_BOTTOM "TOLERANCE" at 313.055,337.439 h0.64 r90; ASSEMBLY_BOTTOM "USERPART#" at 314.325,337.439 h0.64 r90; SYMBOL_PART_DIM "PAD 35X32 OV" at 315.29,340.563 h0.64 r90; SYMBOL_PART_DIM "C402-35X32" at 314.02,340.563 h0.64 r90; SYMBOL_PART_DIM "0" at 312.649,337.642 h0.64 r90; SYMBOL_PART_DIM "0" at 310.845,339.776 h0.64 r90
R109: PIN_NUMBER "1" at 305.74,337.312 h0.51 r270; PIN_NUMBER "2" at 305.74,338.328 h0.51 r270; ASSEMBLY_BOTTOM "NO-POP" at 305.943,337.82 h0.64 r270; ASSEMBLY_BOTTOM "TOLERANCE" at 303.403,337.82 h0.64 r270; ASSEMBLY_BOTTOM "USERPART#" at 302.133,337.82 h0.64 r270; SYMBOL_PART_DIM "PAD 35X32 OV" at 301.168,334.696 h0.64 r270; SYMBOL_PART_DIM "C402-35X32" at 302.438,334.696 h0.64 r270; SYMBOL_PART_DIM "0" at 303.809,337.617 h0.64 r270; SYMBOL_PART_DIM "0" at 305.613,335.483 h0.64 r270
R110: PIN_NUMBER "2" at 394.767,297.307 h0.51 r90; PIN_NUMBER "1" at 394.767,298.323 h0.51 r90; ASSEMBLY_BOTTOM "10K" at 394.97,297.815 h0.64 r90; ASSEMBLY_BOTTOM "TOLERANCE" at 397.51,297.815 h0.64 r90; ASSEMBLY_BOTTOM "USERPART#" at 398.78,297.815 h0.64 r90; SYMBOL_PART_DIM "PAD 35X32 OV" at 399.745,300.939 h0.64 r90; SYMBOL_PART_DIM "C402-35X32" at 398.475,300.939 h0.64 r90; SYMBOL_PART_DIM "0" at 397.104,298.018 h0.64 r90; SYMBOL_PART_DIM "0" at 395.3,300.152 h0.64 r90
R111: PIN_NUMBER "2" at 394.767,303.403 h0.51 r270; PIN_NUMBER "1" at 394.767,302.387 h0.51 r270; ASSEMBLY_BOTTOM "10K" at 394.97,302.895 h0.64 r270; ASSEMBLY_BOTTOM "TOLERANCE" at 392.43,302.895 h0.64 r270; ASSEMBLY_BOTTOM "USERPART#" at 391.16,302.895 h0.64 r270; SYMBOL_PART_DIM "PAD 35X32 OV" at 390.195,299.771 h0.64 r270; SYMBOL_PART_DIM "C402-35X32" at 391.465,299.771 h0.64 r270; SYMBOL_PART_DIM "0" at 392.836,302.692 h0.64 r270; SYMBOL_PART_DIM "0" at 394.64,300.558 h0.64 r270
R112: PIN_NUMBER "1" at 307.518,328.422 h0.51 r180; PIN_NUMBER "2" at 306.502,328.422 h0.51 r180; ASSEMBLY_TOP "33" at 307.213,328.422 h0.64 r180; ASSEMBLY_TOP "TOLERANCE" at 307.213,330.962 h0.64 r180; ASSEMBLY_TOP "USERPART#" at 307.213,332.232 h0.64 r180; SYMBOL_PART_DIM "PAD 35X32 OV" at 310.337,333.197 h0.64 r180; SYMBOL_PART_DIM "C402-35X32" at 310.337,331.927 h0.64 r180; SYMBOL_PART_DIM "0" at 307.416,330.556 h0.64 r180; SYMBOL_PART_DIM "0" at 309.55,328.752 h0.64 r180
R113: PIN_NUMBER "1" at 398.577,297.307 h0.51 r270; PIN_NUMBER "2" at 398.577,298.323 h0.51 r270; ASSEMBLY_BOTTOM "2.2K" at 398.78,297.815 h0.64 r270; ASSEMBLY_BOTTOM "TOLERANCE" at 396.24,297.815 h0.64 r270; ASSEMBLY_BOTTOM "USERPART#" at 394.97,297.815 h0.64 r270; SYMBOL_PART_DIM "PAD 35X32 OV" at 394.005,294.691 h0.64 r270; SYMBOL_PART_DIM "C402-35X32" at 395.275,294.691 h0.64 r270; SYMBOL_PART_DIM "0" at 396.646,297.612 h0.64 r270; SYMBOL_PART_DIM "0" at 398.45,295.478 h0.64 r270
R114: PIN_NUMBER "1" at 398.577,303.403 h0.51 r90; PIN_NUMBER "2" at 398.577,302.387 h0.51 r90; ASSEMBLY_BOTTOM "2.2K" at 398.78,302.895 h0.64 r90; ASSEMBLY_BOTTOM "TOLERANCE" at 401.32,302.895 h0.64 r90; ASSEMBLY_BOTTOM "USERPART#" at 402.59,302.895 h0.64 r90; SYMBOL_PART_DIM "PAD 35X32 OV" at 403.555,306.019 h0.64 r90; SYMBOL_PART_DIM "C402-35X32" at 402.285,306.019 h0.64 r90; SYMBOL_PART_DIM "0" at 400.914,303.098 h0.64 r90; SYMBOL_PART_DIM "0" at 399.11,305.232 h0.64 r90
R115: PIN_NUMBER "2" at 300.05,351.726 h0.76 r90; PIN_NUMBER "1" at 300.05,358.203 h0.76 r90; SYMB_DIM "R2512-65x125" at 292.43,358.927 h0.91 r90; SYMB_DIM "65X125REC" at 307.391,358.267 h0.91 r90
R116: PIN_NUMBER "1" at 293.7,351.726 h0.76 r270; PIN_NUMBER "2" at 293.7,358.203 h0.76 r270; SYMB_DIM "R2512-65x125" at 301.93,351.003 h0.91 r270; SYMB_DIM "65X125REC" at 286.969,351.663 h0.91 r270
R117: PIN_NUMBER "1" at 331.267,352.298 h0.51 r90; PIN_NUMBER "2" at 331.267,351.282 h0.51 r90; ASSEMBLY_BOTTOM "NO-POP" at 331.47,351.79 h0.64 r90; ASSEMBLY_BOTTOM "TOLERANCE" at 334.01,351.79 h0.64 r90; ASSEMBLY_BOTTOM "USERPART#" at 335.28,351.79 h0.64 r90; SYMBOL_PART_DIM "PAD 35X32 OV" at 336.245,354.914 h0.64 r90; SYMBOL_PART_DIM "C402-35X32" at 334.975,354.914 h0.64 r90; SYMBOL_PART_DIM "0" at 333.604,351.993 h0.64 r90; SYMBOL_PART_DIM "0" at 331.8,354.127 h0.64 r90
R118: PIN_NUMBER "2" at 331.572,353.949 h1.02 r90; PIN_NUMBER "1" at 331.572,350.901 h1.02 r90; ASSEMBLY_TOP "0.02" at 331.978,351.282 h1.02 r90; ASSEMBLY_TOP "X" at 331.978,352.298 h1.02 r90; ASSEMBLY_TOP "X" at 331.851,353.06 h1.02 r90; SYMB_DIM "PAD 40X70OV" at 326.365,363.22 h1.02 r90; SYMB_DIM "SM  48X78OV" at 328.143,363.22 h1.02 r90; SYMB_DIM "SP  40X70OV" at 330.175,363.22 h1.02 r90; SYMB_DIM "R1206-40X70" at 321.92,352.425 h1.02 r90; SYMB_DIM "0" at 335.28,351.79 h1.02 r90; SYMB_DIM "0" at 332.105,347.98 h1.02 r90
R119: PIN_NUMBER "1" at 286.106,346.329 h1.02 r270; PIN_NUMBER "2" at 286.106,343.281 h1.02 r270; ASSEMBLY_TOP "0.02" at 286.512,345.948 h1.02 r270; ASSEMBLY_TOP "X" at 286.512,344.932 h1.02 r270; ASSEMBLY_TOP "X" at 286.639,344.17 h1.02 r270; SYMB_DIM "PAD 40X70OV" at 283.185,334.01 h1.02 r270; SYMB_DIM "SM  48X78OV" at 281.407,334.01 h1.02 r270; SYMB_DIM "SP  40X70OV" at 279.375,334.01 h1.02 r270; SYMB_DIM "R1206-40X70" at 287.63,344.805 h1.02 r270; SYMB_DIM "0" at 283.21,345.44 h1.02 r270; SYMB_DIM "0" at 286.385,349.25 h1.02 r270
R120: PIN_NUMBER "2" at 286.182,382.397 h0.51 r90; PIN_NUMBER "1" at 286.182,383.413 h0.51 r90; ASSEMBLY_BOTTOM "15K" at 286.385,382.905 h0.64 r90; ASSEMBLY_BOTTOM "TOLERANCE" at 288.925,382.905 h0.64 r90; ASSEMBLY_BOTTOM "USERPART#" at 290.195,382.905 h0.64 r90; SYMBOL_PART_DIM "PAD 35X32 OV" at 291.16,386.029 h0.64 r90; SYMBOL_PART_DIM "C402-35X32" at 289.89,386.029 h0.64 r90; SYMBOL_PART_DIM "0" at 288.519,383.108 h0.64 r90; SYMBOL_PART_DIM "0" at 286.715,385.242 h0.64 r90
R121: PIN_NUMBER "1" at 311.582,290.068 h0.51 r90; PIN_NUMBER "2" at 311.582,289.052 h0.51 r90; ASSEMBLY_BOTTOM "2K" at 311.785,289.56 h0.64 r90; ASSEMBLY_BOTTOM "TOLERANCE" at 314.325,289.56 h0.64 r90; ASSEMBLY_BOTTOM "USERPART#" at 315.595,289.56 h0.64 r90; SYMBOL_PART_DIM "PAD 35X32 OV" at 316.56,292.684 h0.64 r90; SYMBOL_PART_DIM "C402-35X32" at 315.29,292.684 h0.64 r90; SYMBOL_PART_DIM "0" at 313.919,289.763 h0.64 r90; SYMBOL_PART_DIM "0" at 312.115,291.897 h0.64 r90
R122: PIN_NUMBER "1" at 312.852,290.068 h0.51 r90; PIN_NUMBER "2" at 312.852,289.052 h0.51 r90; ASSEMBLY_BOTTOM "2K" at 313.055,289.56 h0.64 r90; ASSEMBLY_BOTTOM "TOLERANCE" at 315.595,289.56 h0.64 r90; ASSEMBLY_BOTTOM "USERPART#" at 316.865,289.56 h0.64 r90; SYMBOL_PART_DIM "PAD 35X32 OV" at 317.83,292.684 h0.64 r90; SYMBOL_PART_DIM "C402-35X32" at 316.56,292.684 h0.64 r90; SYMBOL_PART_DIM "0" at 315.189,289.763 h0.64 r90; SYMBOL_PART_DIM "0" at 313.385,291.897 h0.64 r90
R123: PIN_NUMBER "1" at 314.122,290.068 h0.51 r90; PIN_NUMBER "2" at 314.122,289.052 h0.51 r90; ASSEMBLY_BOTTOM "2K" at 314.325,289.56 h0.64 r90; ASSEMBLY_BOTTOM "TOLERANCE" at 316.865,289.56 h0.64 r90; ASSEMBLY_BOTTOM "USERPART#" at 318.135,289.56 h0.64 r90; SYMBOL_PART_DIM "PAD 35X32 OV" at 319.1,292.684 h0.64 r90; SYMBOL_PART_DIM "C402-35X32" at 317.83,292.684 h0.64 r90; SYMBOL_PART_DIM "0" at 316.459,289.763 h0.64 r90; SYMBOL_PART_DIM "0" at 314.655,291.897 h0.64 r90
R124: PIN_NUMBER "2" at 316.662,294.767 h0.51 r270; PIN_NUMBER "1" at 316.662,293.751 h0.51 r270; ASSEMBLY_BOTTOM "20K" at 316.865,294.259 h0.64 r270; ASSEMBLY_BOTTOM "TOLERANCE" at 314.325,294.259 h0.64 r270; ASSEMBLY_BOTTOM "USERPART#" at 313.055,294.259 h0.64 r270; SYMBOL_PART_DIM "PAD 35X32 OV" at 312.09,291.135 h0.64 r270; SYMBOL_PART_DIM "C402-35X32" at 313.36,291.135 h0.64 r270; SYMBOL_PART_DIM "0" at 314.731,294.056 h0.64 r270; SYMBOL_PART_DIM "0" at 316.535,291.922 h0.64 r270
R125: PIN_NUMBER "1" at 315.392,290.068 h0.51 r90; PIN_NUMBER "2" at 315.392,289.052 h0.51 r90; ASSEMBLY_BOTTOM "2K" at 315.595,289.56 h0.64 r90; ASSEMBLY_BOTTOM "TOLERANCE" at 318.135,289.56 h0.64 r90; ASSEMBLY_BOTTOM "USERPART#" at 319.405,289.56 h0.64 r90; SYMBOL_PART_DIM "PAD 35X32 OV" at 320.37,292.684 h0.64 r90; SYMBOL_PART_DIM "C402-35X32" at 319.1,292.684 h0.64 r90; SYMBOL_PART_DIM "0" at 317.729,289.763 h0.64 r90; SYMBOL_PART_DIM "0" at 315.925,291.897 h0.64 r90
R126: PIN_NUMBER "1" at 316.662,289.052 h0.51 r270; PIN_NUMBER "2" at 316.662,290.068 h0.51 r270; ASSEMBLY_BOTTOM "2K" at 316.865,289.56 h0.64 r270; ASSEMBLY_BOTTOM "TOLERANCE" at 314.325,289.56 h0.64 r270; ASSEMBLY_BOTTOM "USERPART#" at 313.055,289.56 h0.64 r270; SYMBOL_PART_DIM "PAD 35X32 OV" at 312.09,286.436 h0.64 r270; SYMBOL_PART_DIM "C402-35X32" at 313.36,286.436 h0.64 r270; SYMBOL_PART_DIM "0" at 314.731,289.357 h0.64 r270; SYMBOL_PART_DIM "0" at 316.535,287.223 h0.64 r270
R127: PIN_NUMBER "1" at 311.582,294.767 h0.51 r90; PIN_NUMBER "2" at 311.582,293.751 h0.51 r90; ASSEMBLY_BOTTOM "20K" at 311.785,294.259 h0.64 r90; ASSEMBLY_BOTTOM "TOLERANCE" at 314.325,294.259 h0.64 r90; ASSEMBLY_BOTTOM "USERPART#" at 315.595,294.259 h0.64 r90; SYMBOL_PART_DIM "PAD 35X32 OV" at 316.56,297.383 h0.64 r90; SYMBOL_PART_DIM "C402-35X32" at 315.29,297.383 h0.64 r90; SYMBOL_PART_DIM "0" at 313.919,294.462 h0.64 r90; SYMBOL_PART_DIM "0" at 312.115,296.596 h0.64 r90
R128: PIN_NUMBER "1" at 312.852,294.767 h0.51 r90; PIN_NUMBER "2" at 312.852,293.751 h0.51 r90; ASSEMBLY_BOTTOM "20K" at 313.055,294.259 h0.64 r90; ASSEMBLY_BOTTOM "TOLERANCE" at 315.595,294.259 h0.64 r90; ASSEMBLY_BOTTOM "USERPART#" at 316.865,294.259 h0.64 r90; SYMBOL_PART_DIM "PAD 35X32 OV" at 317.83,297.383 h0.64 r90; SYMBOL_PART_DIM "C402-35X32" at 316.56,297.383 h0.64 r90; SYMBOL_PART_DIM "0" at 315.189,294.462 h0.64 r90; SYMBOL_PART_DIM "0" at 313.385,296.596 h0.64 r90
R129: PIN_NUMBER "1" at 314.122,294.767 h0.51 r90; PIN_NUMBER "2" at 314.122,293.751 h0.51 r90; ASSEMBLY_BOTTOM "20K" at 314.325,294.259 h0.64 r90; ASSEMBLY_BOTTOM "TOLERANCE" at 316.865,294.259 h0.64 r90; ASSEMBLY_BOTTOM "USERPART#" at 318.135,294.259 h0.64 r90; SYMBOL_PART_DIM "PAD 35X32 OV" at 319.1,297.383 h0.64 r90; SYMBOL_PART_DIM "C402-35X32" at 317.83,297.383 h0.64 r90; SYMBOL_PART_DIM "0" at 316.459,294.462 h0.64 r90; SYMBOL_PART_DIM "0" at 314.655,296.596 h0.64 r90
R130: PIN_NUMBER "1" at 315.392,294.767 h0.51 r90; PIN_NUMBER "2" at 315.392,293.751 h0.51 r90; ASSEMBLY_BOTTOM "20K" at 315.595,294.259 h0.64 r90; ASSEMBLY_BOTTOM "TOLERANCE" at 318.135,294.259 h0.64 r90; ASSEMBLY_BOTTOM "USERPART#" at 319.405,294.259 h0.64 r90; SYMBOL_PART_DIM "PAD 35X32 OV" at 320.37,297.383 h0.64 r90; SYMBOL_PART_DIM "C402-35X32" at 319.1,297.383 h0.64 r90; SYMBOL_PART_DIM "0" at 317.729,294.462 h0.64 r90; SYMBOL_PART_DIM "0" at 315.925,296.596 h0.64 r90
R131: PIN_NUMBER "1" at 289.992,290.703 h0.51 r90; PIN_NUMBER "2" at 289.992,289.687 h0.51 r90; ASSEMBLY_BOTTOM "10K" at 290.195,290.195 h0.64 r90; ASSEMBLY_BOTTOM "TOLERANCE" at 292.735,290.195 h0.64 r90; ASSEMBLY_BOTTOM "USERPART#" at 294.005,290.195 h0.64 r90; SYMBOL_PART_DIM "PAD 35X32 OV" at 294.97,293.319 h0.64 r90; SYMBOL_PART_DIM "C402-35X32" at 293.7,293.319 h0.64 r90; SYMBOL_PART_DIM "0" at 292.329,290.398 h0.64 r90; SYMBOL_PART_DIM "0" at 290.525,292.532 h0.64 r90
R132: PIN_NUMBER "1" at 297.739,299.72 h0.51 r180; PIN_NUMBER "2" at 298.755,299.72 h0.51 r180; ASSEMBLY_BOTTOM "10K" at 298.45,299.72 h0.64 r180; ASSEMBLY_BOTTOM "TOLERANCE" at 298.45,302.26 h0.64 r180; ASSEMBLY_BOTTOM "USERPART#" at 298.45,303.53 h0.64 r180; SYMBOL_PART_DIM "PAD 35X32 OV" at 295.326,304.495 h0.64 r180; SYMBOL_PART_DIM "C402-35X32" at 295.326,303.225 h0.64 r180; SYMBOL_PART_DIM "0" at 298.247,301.854 h0.64 r180; SYMBOL_PART_DIM "0" at 296.113,300.05 h0.64 r180
R133: PIN_NUMBER "2" at 289.992,308.483 h0.51 r270; PIN_NUMBER "1" at 289.992,307.467 h0.51 r270; ASSEMBLY_BOTTOM "10K" at 290.195,307.975 h0.64 r270; ASSEMBLY_BOTTOM "TOLERANCE" at 287.655,307.975 h0.64 r270; ASSEMBLY_BOTTOM "USERPART#" at 286.385,307.975 h0.64 r270; SYMBOL_PART_DIM "PAD 35X32 OV" at 285.42,304.851 h0.64 r270; SYMBOL_PART_DIM "C402-35X32" at 286.69,304.851 h0.64 r270; SYMBOL_PART_DIM "0" at 288.061,307.772 h0.64 r270; SYMBOL_PART_DIM "0" at 289.865,305.638 h0.64 r270
R134: PIN_NUMBER "2" at 291.897,308.483 h0.51 r270; PIN_NUMBER "1" at 291.897,307.467 h0.51 r270; ASSEMBLY_BOTTOM "10K" at 292.1,307.975 h0.64 r270; ASSEMBLY_BOTTOM "TOLERANCE" at 289.56,307.975 h0.64 r270; ASSEMBLY_BOTTOM "USERPART#" at 288.29,307.975 h0.64 r270; SYMBOL_PART_DIM "PAD 35X32 OV" at 287.325,304.851 h0.64 r270; SYMBOL_PART_DIM "C402-35X32" at 288.595,304.851 h0.64 r270; SYMBOL_PART_DIM "0" at 289.966,307.772 h0.64 r270; SYMBOL_PART_DIM "0" at 291.77,305.638 h0.64 r270
R135: PIN_NUMBER "2" at 293.167,308.483 h0.51 r270; PIN_NUMBER "1" at 293.167,307.467 h0.51 r270; ASSEMBLY_BOTTOM "10K" at 293.37,307.975 h0.64 r270; ASSEMBLY_BOTTOM "TOLERANCE" at 290.83,307.975 h0.64 r270; ASSEMBLY_BOTTOM "USERPART#" at 289.56,307.975 h0.64 r270; SYMBOL_PART_DIM "PAD 35X32 OV" at 288.595,304.851 h0.64 r270; SYMBOL_PART_DIM "C402-35X32" at 289.865,304.851 h0.64 r270; SYMBOL_PART_DIM "0" at 291.236,307.772 h0.64 r270; SYMBOL_PART_DIM "0" at 293.04,305.638 h0.64 r270
R136: PIN_NUMBER "2" at 295.072,308.483 h0.51 r270; PIN_NUMBER "1" at 295.072,307.467 h0.51 r270; ASSEMBLY_BOTTOM "10K" at 295.275,307.975 h0.64 r270; ASSEMBLY_BOTTOM "TOLERANCE" at 292.735,307.975 h0.64 r270; ASSEMBLY_BOTTOM "USERPART#" at 291.465,307.975 h0.64 r270; SYMBOL_PART_DIM "PAD 35X32 OV" at 290.5,304.851 h0.64 r270; SYMBOL_PART_DIM "C402-35X32" at 291.77,304.851 h0.64 r270; SYMBOL_PART_DIM "0" at 293.141,307.772 h0.64 r270; SYMBOL_PART_DIM "0" at 294.945,305.638 h0.64 r270
R137: PIN_NUMBER "1" at 286.182,311.023 h0.51 r90; PIN_NUMBER "2" at 286.182,310.007 h0.51 r90; ASSEMBLY_BOTTOM "2K" at 286.385,310.515 h0.64 r90; ASSEMBLY_BOTTOM "TOLERANCE" at 288.925,310.515 h0.64 r90; ASSEMBLY_BOTTOM "USERPART#" at 290.195,310.515 h0.64 r90; SYMBOL_PART_DIM "PAD 35X32 OV" at 291.16,313.639 h0.64 r90; SYMBOL_PART_DIM "C402-35X32" at 289.89,313.639 h0.64 r90; SYMBOL_PART_DIM "0" at 288.519,310.718 h0.64 r90; SYMBOL_PART_DIM "0" at 286.715,312.852 h0.64 r90
R138: PIN_NUMBER "1" at 301.422,304.038 h0.51 r90; PIN_NUMBER "2" at 301.422,303.022 h0.51 r90; ASSEMBLY_BOTTOM "NO-POP" at 301.625,303.53 h0.64 r90; ASSEMBLY_BOTTOM "TOLERANCE" at 304.165,303.53 h0.64 r90; ASSEMBLY_BOTTOM "USERPART#" at 305.435,303.53 h0.64 r90; SYMBOL_PART_DIM "PAD 35X32 OV" at 306.4,306.654 h0.64 r90; SYMBOL_PART_DIM "C402-35X32" at 305.13,306.654 h0.64 r90; SYMBOL_PART_DIM "0" at 303.759,303.733 h0.64 r90; SYMBOL_PART_DIM "0" at 301.955,305.867 h0.64 r90
R139: PIN_NUMBER "1" at 304.47,306.705 h0.51; PIN_NUMBER "2" at 303.454,306.705 h0.51; ASSEMBLY_BOTTOM "NO-POP" at 304.165,306.705 h0.64; ASSEMBLY_BOTTOM "TOLERANCE" at 304.165,304.165 h0.64; ASSEMBLY_BOTTOM "USERPART#" at 304.165,302.895 h0.64; SYMBOL_PART_DIM "PAD 35X32 OV" at 307.289,301.93 h0.64; SYMBOL_PART_DIM "C402-35X32" at 307.289,303.2 h0.64; SYMBOL_PART_DIM "0" at 304.368,304.571 h0.64; SYMBOL_PART_DIM "0" at 306.502,306.375 h0.64
R140: PIN_NUMBER "1" at 303.962,304.038 h0.51 r90; PIN_NUMBER "2" at 303.962,303.022 h0.51 r90; ASSEMBLY_BOTTOM "NO-POP" at 304.165,303.53 h0.64 r90; ASSEMBLY_BOTTOM "TOLERANCE" at 306.705,303.53 h0.64 r90; ASSEMBLY_BOTTOM "USERPART#" at 307.975,303.53 h0.64 r90; SYMBOL_PART_DIM "PAD 35X32 OV" at 308.94,306.654 h0.64 r90; SYMBOL_PART_DIM "C402-35X32" at 307.67,306.654 h0.64 r90; SYMBOL_PART_DIM "0" at 306.299,303.733 h0.64 r90; SYMBOL_PART_DIM "0" at 304.495,305.867 h0.64 r90
R141: PIN_NUMBER "1" at 300.152,303.022 h0.51 r270; PIN_NUMBER "2" at 300.152,304.038 h0.51 r270; ASSEMBLY_BOTTOM "0" at 300.355,303.53 h0.64 r270; ASSEMBLY_BOTTOM "TOLERANCE" at 297.815,303.53 h0.64 r270; ASSEMBLY_BOTTOM "USERPART#" at 296.545,303.53 h0.64 r270; SYMBOL_PART_DIM "PAD 35X32 OV" at 295.58,300.406 h0.64 r270; SYMBOL_PART_DIM "C402-35X32" at 296.85,300.406 h0.64 r270; SYMBOL_PART_DIM "0" at 298.221,303.327 h0.64 r270; SYMBOL_PART_DIM "0" at 300.025,301.193 h0.64 r270
R142: PIN_NUMBER "1" at 301.93,306.705 h0.51; PIN_NUMBER "2" at 300.914,306.705 h0.51; ASSEMBLY_BOTTOM "0" at 301.625,306.705 h0.64; ASSEMBLY_BOTTOM "TOLERANCE" at 301.625,304.165 h0.64; ASSEMBLY_BOTTOM "USERPART#" at 301.625,302.895 h0.64; SYMBOL_PART_DIM "PAD 35X32 OV" at 304.749,301.93 h0.64; SYMBOL_PART_DIM "C402-35X32" at 304.749,303.2 h0.64; SYMBOL_PART_DIM "0" at 301.828,304.571 h0.64; SYMBOL_PART_DIM "0" at 303.962,306.375 h0.64